# Altium PCB XNG_V1PCB.PcbDoc (part 1 of 2)
Units mil, origin at the board's own origin, x right, y up, seen from the top; angles counter-clockwise.
Board outline 5905.51 x 4527.56 mil, 2 copper layers (Top Layer, Bottom Layer); 230 components, 157 nets, 806 pads, 64 vias.
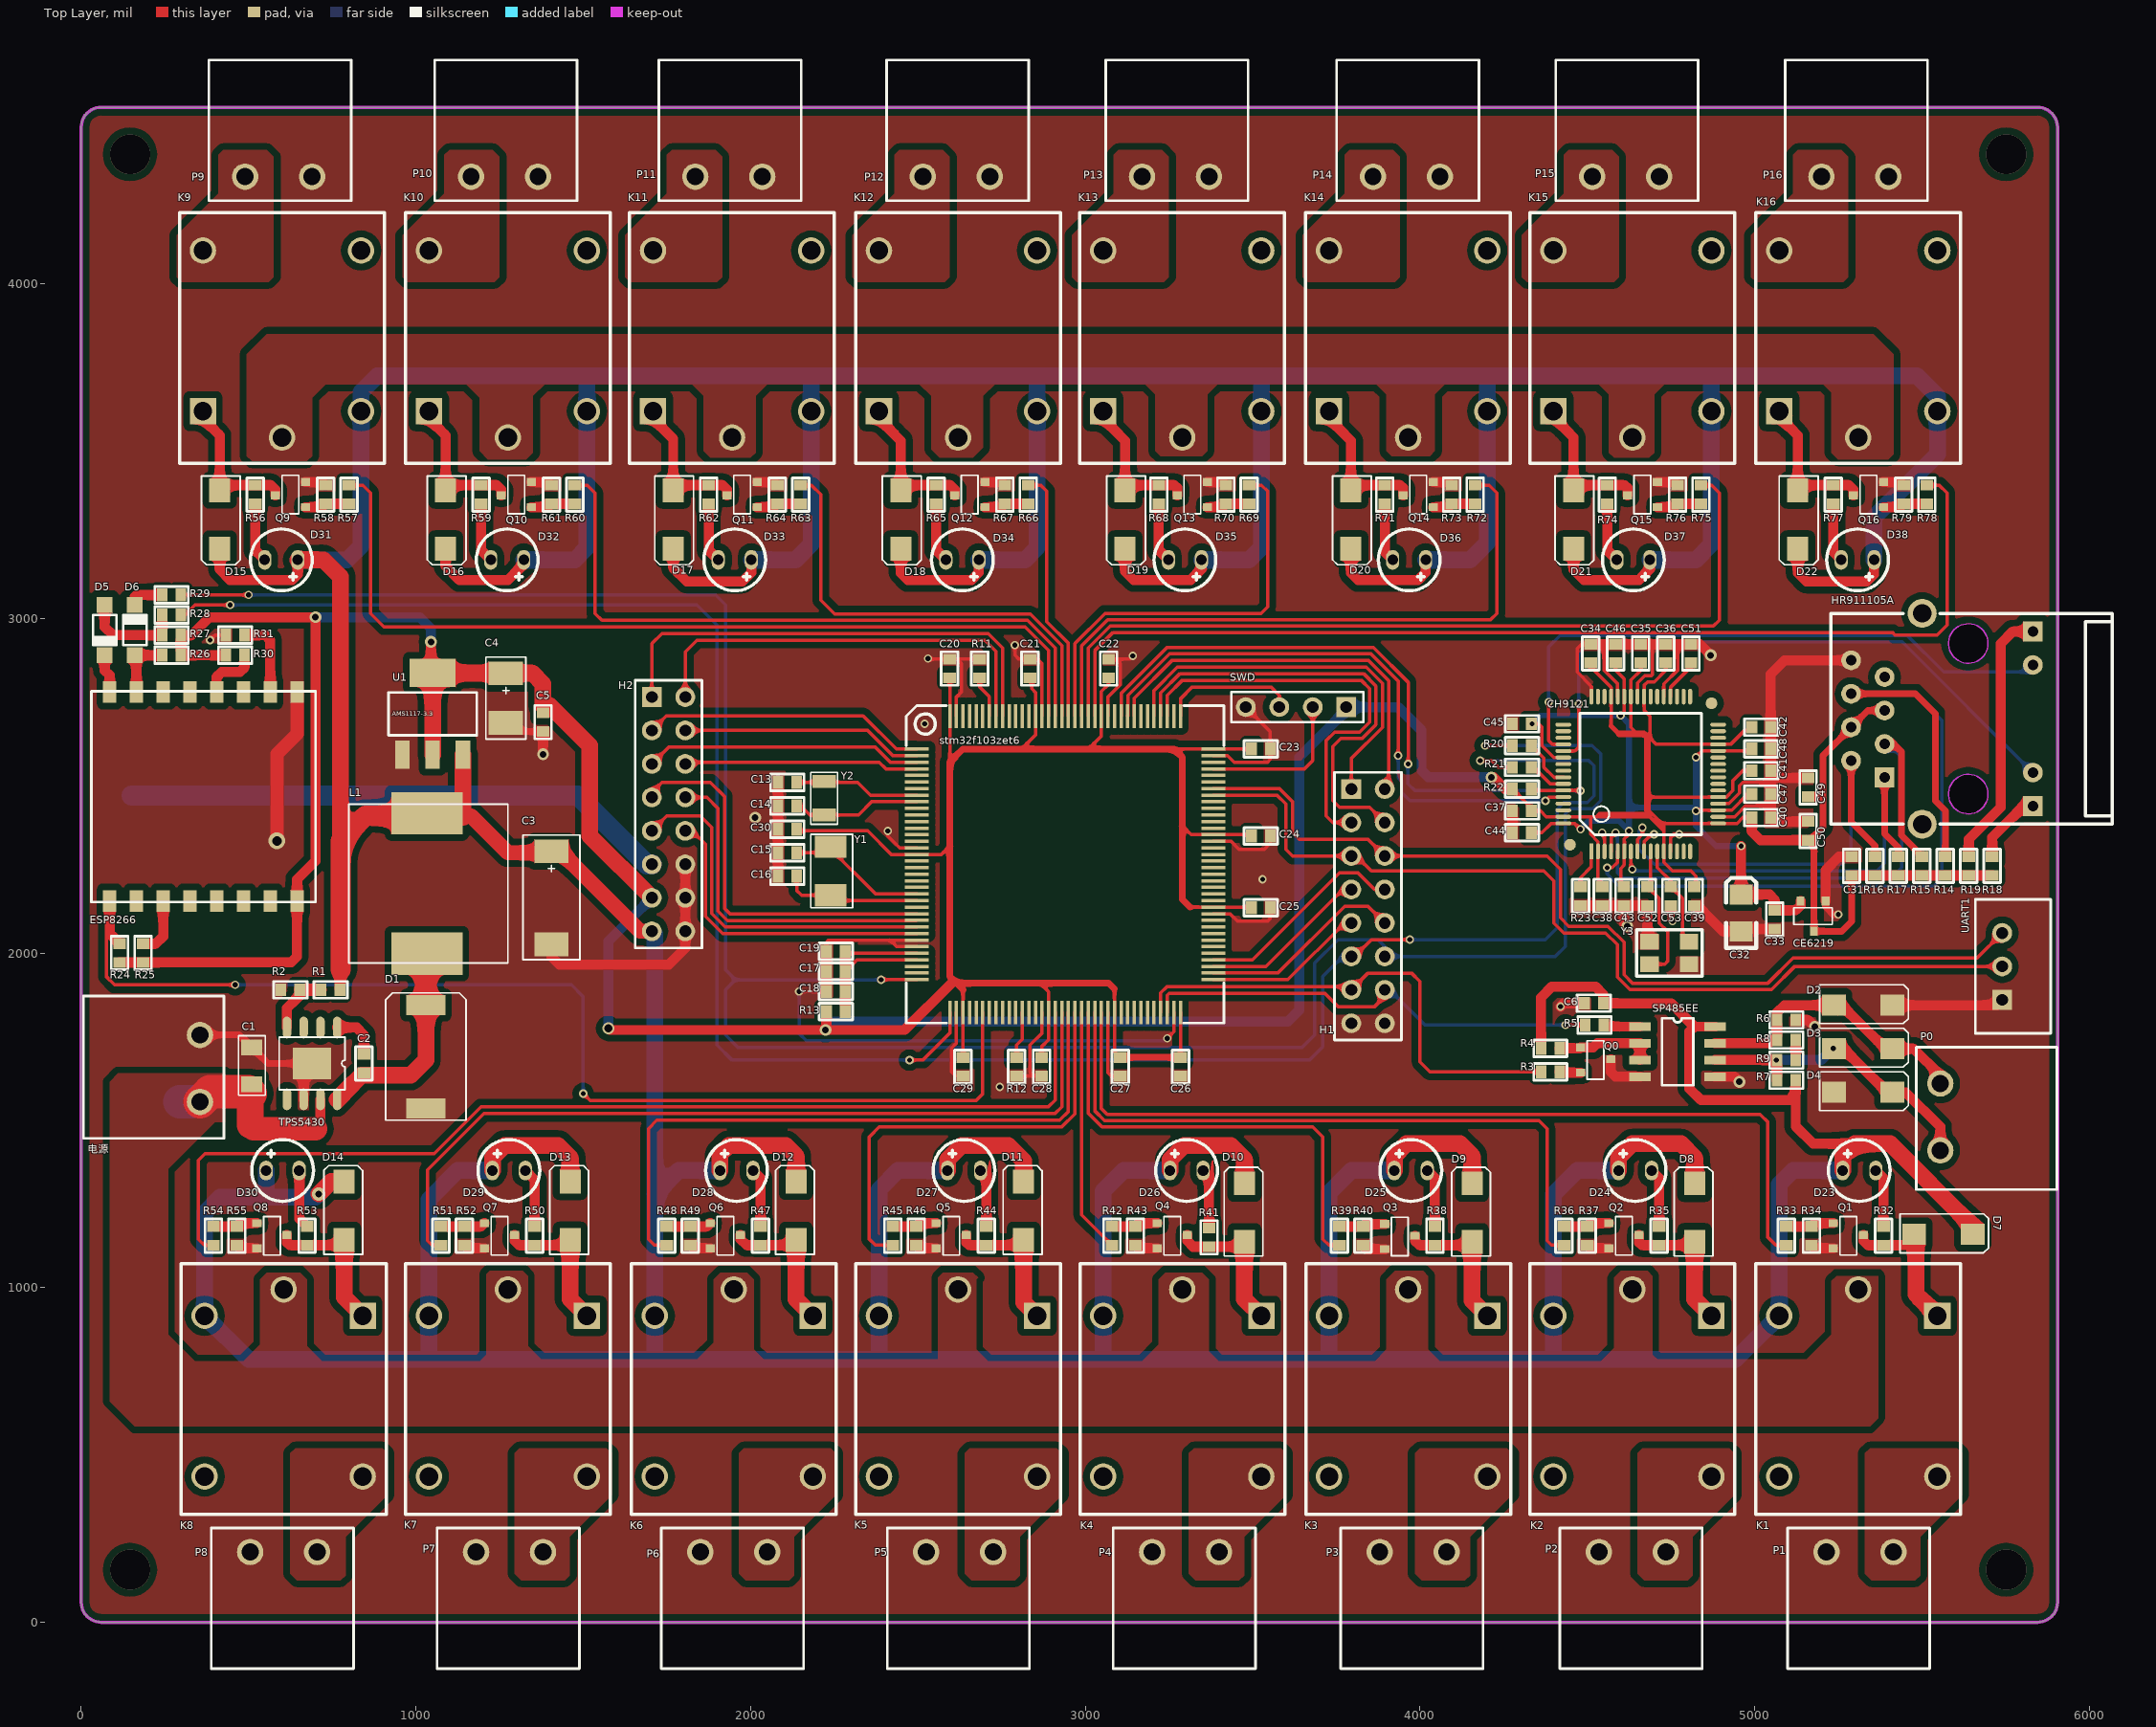
[diagram p0: Top Layer view]
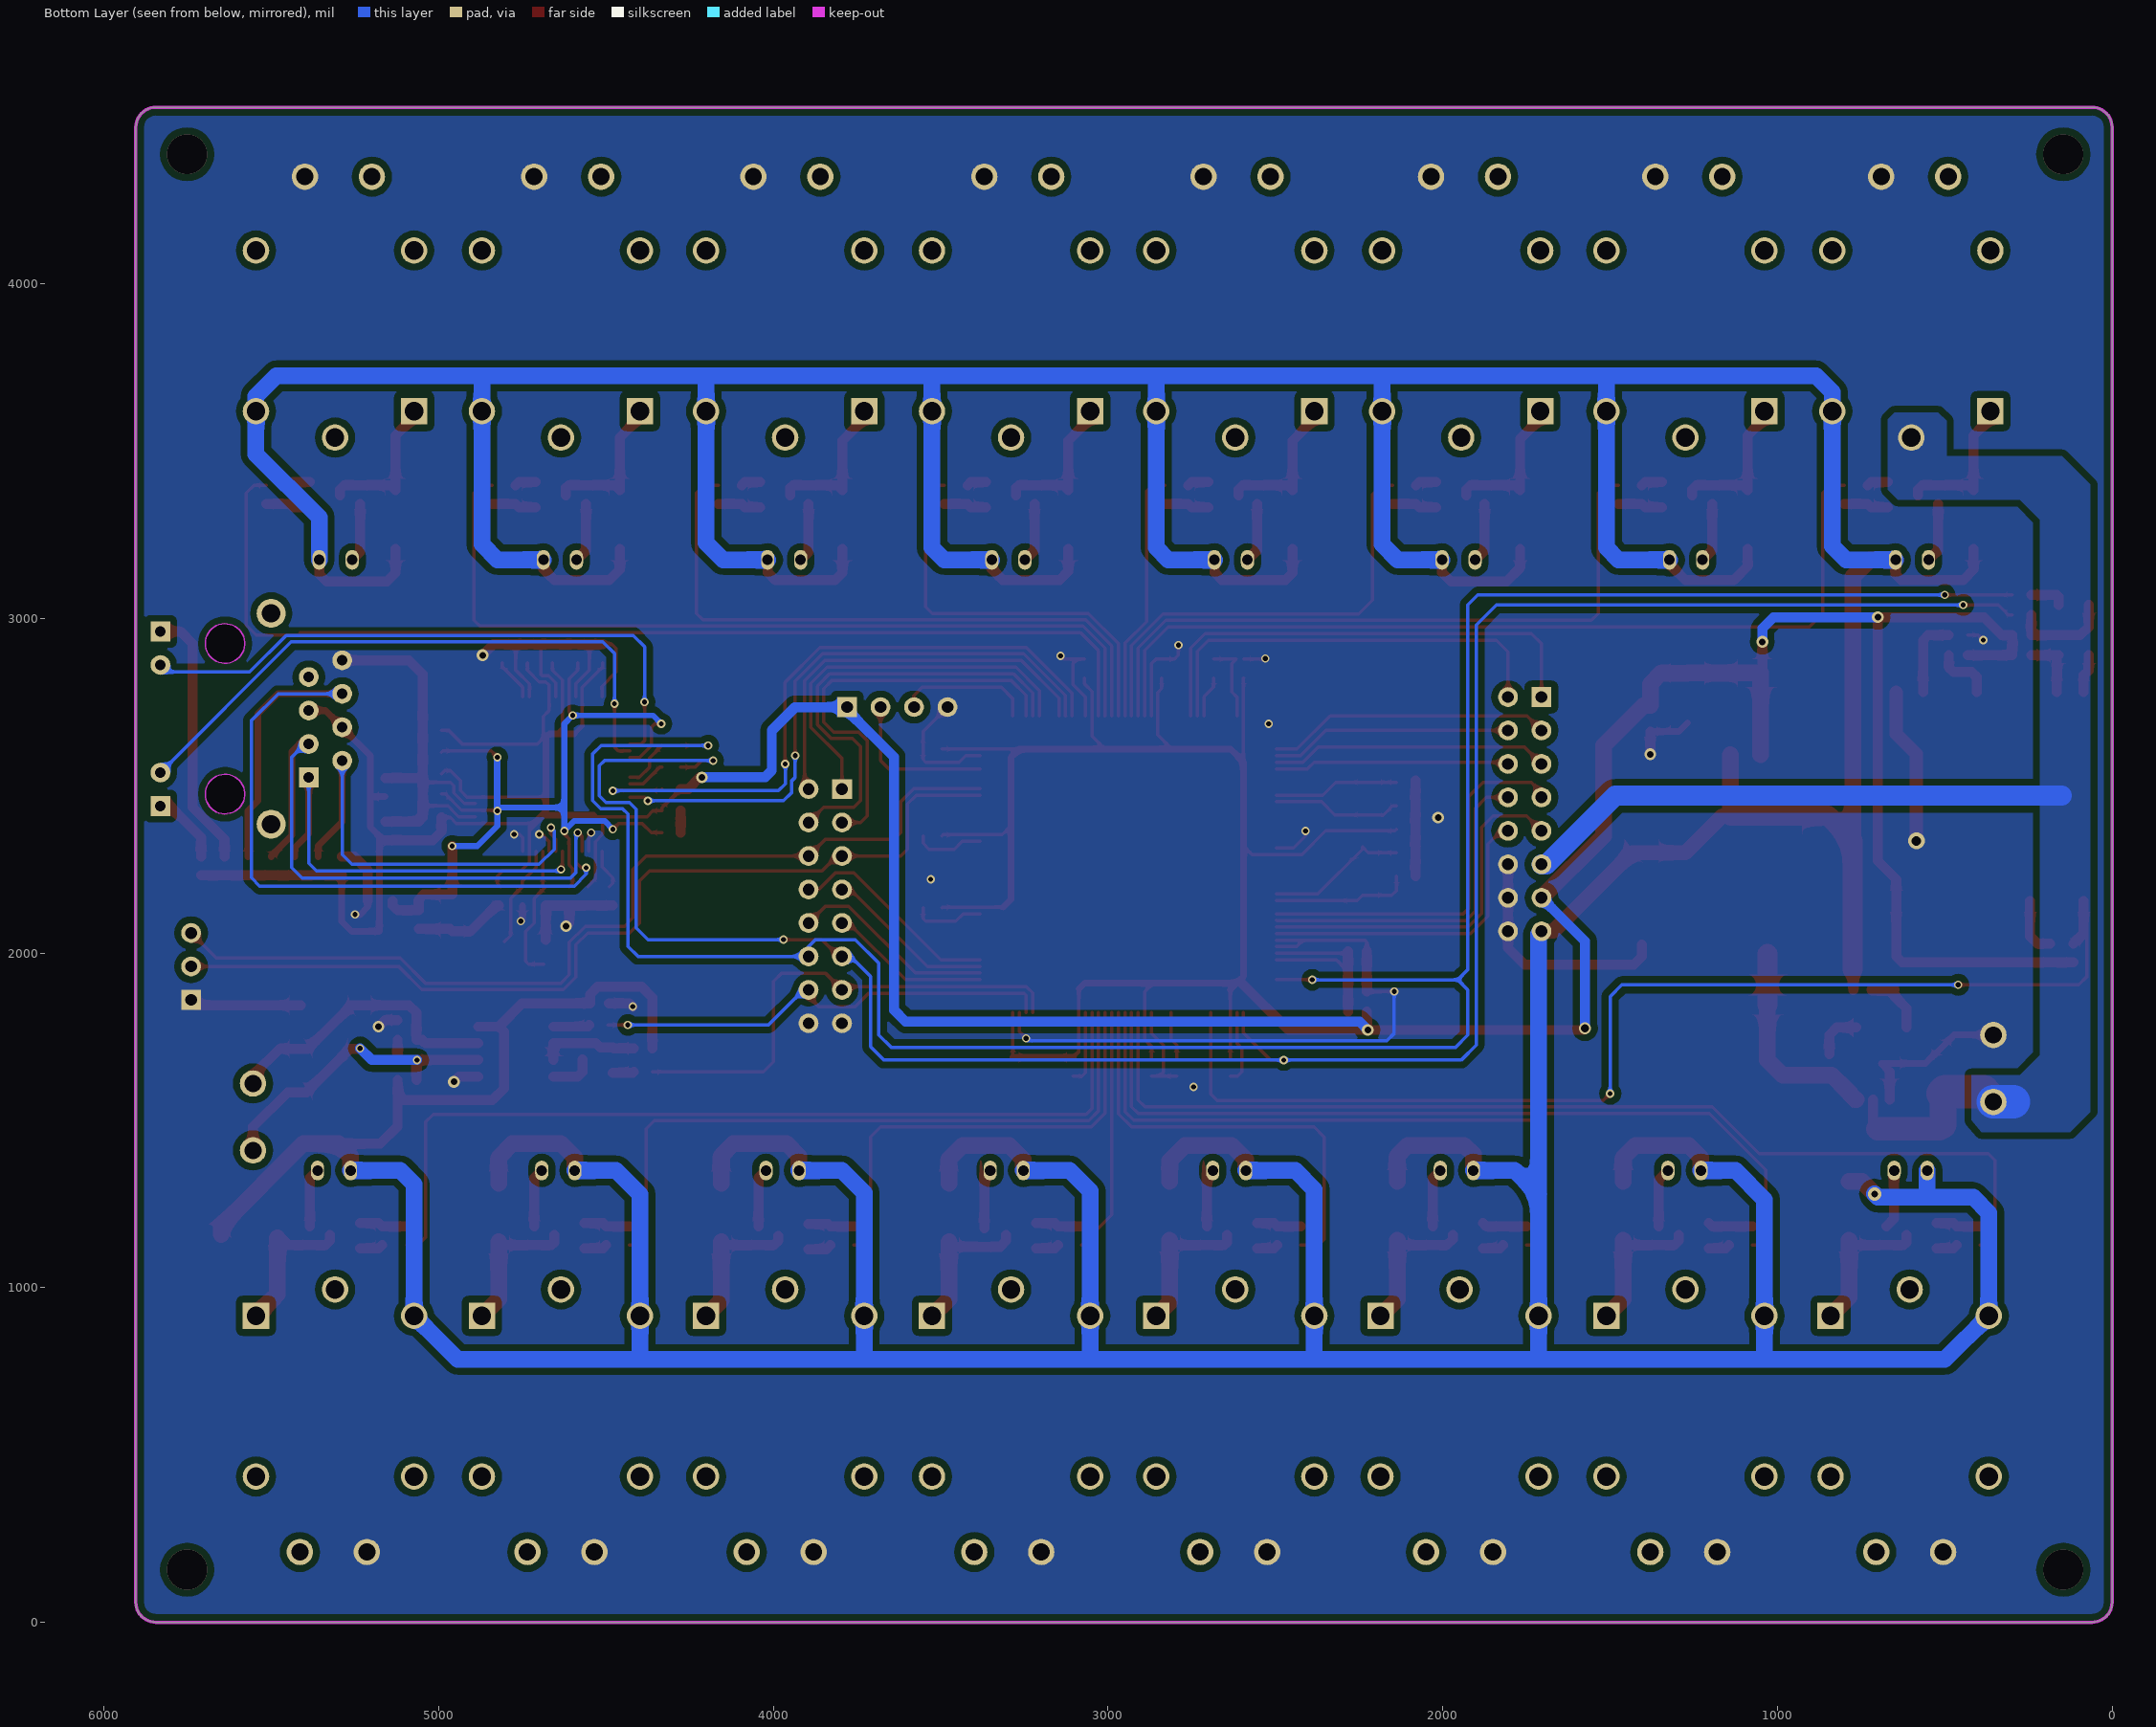
[diagram p1: Bottom Layer view, seen from below]

## Layer stack, top to bottom
Top Solder: solder mask 0.4, Solder Resist, Dk 3.5
Top Layer: signal copper 1.4
Dielectric 1: dielectric 12.6, FR-4, Dk 4.8
Bottom Layer: signal copper 1.4
Bottom Solder: solder mask 0.4, Solder Resist, Dk 3.5

## Board outline
0,60 ccw(c60,60) 60,0 5845.51,0 ccw(c5845.51,60) 5905.51,60 5905.51,4468 5905.07,4468 ccw(c5845.51,4468) 5845.51,4527.56 60,4527.56 ccw(c60,4467.56) 0,4467.56

## Design rules (kind name [scope] priority, off if disabled: settings)
Clearance GND [InPolygon] p1: gap=20 ignorepadtopadclearanceinfootprint=FALSE
Clearance IC [InComponent('stm32f103zet6','CH9121')] p2: gap=1 ignorepadtopadclearanceinfootprint=FALSE
Clearance [All] p3: gap=9 ignorepadtopadclearanceinfootprint=FALSE
ComponentClearance [All] p1: gap=0 collisioncheckmode=3 verticalgap=0 showdistances=FALSE
HoleSize [All] p1: absolutevalues=TRUE maxlimit=200 minlimit=1 maxpercent=80.000 minpercent=20.000
MinimumSolderMaskSliver [All] p1: minsoldermaskwidth=0
PlaneConnect [All] p1: planeconnectstyle=Direct reliefexpansion=20 reliefentries=4 reliefconductorwidth=10 reliefairgap=10
PolygonConnect [All] p1: connectstyle=Direct reliefconductorwidth=10 reliefentries=4 polygonreliefangle="90 Angle" airgapwidth=10
RoutingVias [All] p1: holewidth=15 width=25 viastyle="Through Hole" minholewidth=8 minwidth=10 maxholewidth=50 maxwidth=100
SilkToSilkClearance [All] p1: silktosilkclearance=0
SilkToSolderMaskClearance [IsPad] p1: minsilkscreentomaskgap=0 clearancetoexposedcopper=TRUE
SolderMaskExpansion [All] p1: expansion=4
Width [All] p1: maxlimit=100 minlimit=7 preferedwidth=10
24 further rules are at their usual default settings.

## Classes and differential pairs
component class 继电器模块: D7 D8 D9 D10 D11 D12 D13 D14 D15 D16 D17 D18 D19 D20 D21 D22 D23 D24 D25 D26 D27 D28 D29 D31 D32 D33 D34 D35 D36 D37 D38 K1 K2 K3 K4 K5 K6 K7 K8 K9 K10 K11 K12 K13 K14 K15 K16 P1 P2 P3 P4 P5 P6 P7 P8 P9 P10 P11 P12 P13 P14 P15 P16 Q1 Q2 Q3 Q4 Q5 Q6 Q7 Q8 Q9 Q10 Q11 Q12 Q13 Q14 Q15 Q16 R32 R33 R34 R35 R36 R37 R38 R39 R40 R41 R42 R43 R44 R45 R46 R47 R48 R49 R50 R51 R52 R53 R54 R55 R56 R57 R58 R59 R60 R61 R62 R63 R64 R65 R66 R67 R68 R69 R70 R71 R72 R73 R74 R75 R76 R77 R78 R79
component class 以太网透传模块: C31 C32 C33 C34 C35 C36 C37 C38 C39 C40 C41 C42 C43 C44 C45 C47 C48 C49 C50 C51 C52 C53 CE6219 CH9121 D5 D6 ESP8266 HR911105A R14 R15 R16 R17 R18 R19 R20 R21 R22 R23 R24 R25 R26 R27 R28 R29 R30 R31 Y3
component class 主控制芯片: C1 C2 C3 C4 C5 C6 C13 C14 C15 C16 C17 C18 C19 C20 C21 C22 C23 C24 C25 C26 C27 C28 C29 C30 D1 D2 D3 D4 H1 H2 L1 P0 Q0 R1 R2 R3 R4 R5 R6 R7 R8 R9 R11 R12 R13 SP485EE stm32f103zet6 SWD TPS5430 U1 UART1 Y1 Y2 电源

## Components (designator, comment, footprint, x,y, rotation, side; value= is the part's Value field where it differs from the comment)
C1 "C2012X5R1V156M125AC" 1206 510,1660 r90 top
C2 "C0805C103K5RACTU" 0603 845,1670 r270 top
C3 "6TPC330MA" 钽电容(D) 1405,2165 r270 top
C4 "10uF（钽电容）" 钽电容(B) 1265,2760 r270 top
C5 "0.1uF" 0603 1380,2690 r90 top
C6 "104" 0603 4520,1850 r0 top
C13 "10" 0603 2110,2510 r180 top
C14 "10" 0603 2110,2440 r180 top
C15 "22" 0603 2110,2300 r0 top
C16 "22" 0603 2110,2230 r0 top
C17 "104" 0603 2255,1945 r0 top
C18 "106" 0603 2255,1885 r180 top
C19 "104" 0603 2255,2005 r180 top
C20 "104" 0603 2595,2850 r90 top
C21 "104" 0603 2835,2850 r90 top
C22 "104" 0603 3070,2850 r90 top
C23 "104" 0603 3525,2610 r0 top
C24 "104" 0603 3525,2350 r0 top
C25 "104" 0603 3525,2135 r0 top
C26 "104" 0603 3285,1660 r270 top
C27 "104" 0603 3105,1660 r270 top
C28 "104" 0603 2870,1660 r270 top
C29 "104" 0603 2635,1660 r270 top
C30 "104" 0603 2110,2370 r180 top
C31 "104" 0603 5290,2260 r90 top
C32 "10uF" 钽电容(A) 4960,2125 r90 top
C33 "104" 0603 5060,2100 r270 top
C34 "104" 0603 4510,2895 r90 top
C35 "104" 0603 4660,2895 r90 top
C36 "104" 0603 4735,2895 r90 top
C37 "104" 0603 4305,2425 r180 top
C38 "104" 0603 4545,2170 r270 top
C39 "104" 0603 4820,2170 r270 top
C40 "104" 0603 5020,2405 r0 top
C41 "104" 0603 5020,2545 r0 top
C42 "104" 0603 5020,2675 r0 top
C43 "104" 0603 4610,2170 r270 top
C44 "104" 0603 4305,2360 r180 top
C45 "104" 0603 4305,2685 r180 top
C46 "104" 0603 4585,2895 r90 top
C47 "104" 0603 5020,2475 r0 top
C48 "104" 0603 5020,2610 r0 top
C49 "104" 0603 5160,2495 r90 top
C50 "104" 0603 5160,2365 r90 top
C51 "105" 0603 4810,2895 r270 top
C52 "20" 0603 4680,2170 r270 top
C53 "20" 0603 4750,2170 r270 top
CE6219 "CE6219" SOT-23 5175,2110 r180 top
CH9121 "CH9121" LQFP64_10x10 4660,2535 r0 top
D1 "B540C-13-F" SMC 1030,1690 r90 top
D2 "SMAJ6.5CA" SMA 5330,1845 r0 top
D3 "SMAJ6.5CA" SMA 5330,1715 r0 top
D4 "SMAJ6.5CA" SMA 5330,1585 r0 top
D5 "IN5819" SOD-123 70,2970 r90 top
D6 "IN5819" SOD-123 160,2960 r270 top
D7 "1N4007" SMA 5570,1160 r0 top
D8 "1N4007" SMA 4820,1230 r90 top
D9 "1N4007" SMA 4155,1230 r90 top
D10 "1N4007" SMA 3475,1230 r90 top
D11 "1N4007" SMA 2815,1235 r90 top
D12 "1N4007" SMA 2135,1235 r90 top
D13 "1N4007" SMA 1460,1235 r90 top
D14 "1N4007" SMA 785,1235 r90 top
D15 "1N4007" SMA 415,3290 r270 top
D16 "1N4007" SMA 1090,3290 r270 top
D17 "1N4007" SMA 1770,3290 r270 top
D18 "1N4007" SMA 2450,3290 r270 top
D19 "1N4007" SMA 3120,3290 r270 top
D20 "1N4007" SMA 3795,3290 r270 top
D21 "1N4007" SMA 4460,3290 r270 top
D22 "1N4007" SMA 5130,3290 r270 top
D23 "LED" LED 5311,1350 r0 top
D24 "LED" LED 4641,1350 r0 top
D25 "LED" LED 3971,1350 r0 top
D26 "LED" LED 3301,1350 r0 top
D27 "LED" LED 2636,1350 r0 top
D28 "LED" LED 1956,1350 r0 top
D29 "LED" LED 1276,1350 r0 top
D30 "LED" LED 600,1350 r0 top
D31 "LED" LED 600,3175 r180 top
D32 "LED" LED 1275,3175 r180 top
D33 "LED" LED 1955,3175 r180 top
D34 "LED" LED 2635,3175 r180 top
D35 "LED" LED 3300,3175 r180 top
D36 "LED" LED 3970,3175 r180 top
D37 "LED" LED 4640,3175 r180 top
D38 "LED" LED 5310,3175 r180 top
ESP8266 "ESP8266" ESP8266 700,2152.2 r90 top
H1 "Header 8X2A" HDR2X8_CEN 3795,2490 r270 top
H2 "Header 8X2A" HDR2X8_CEN 1705,2765 r270 top
HR911105A "HR911105A" HR911105A 5560,2700 r90 top
K1 "SSR5" SSR-DC5 5310,715 r270 top
K2 "SSR5" SSR-DC5 4635,715 r270 top
K3 "SSR5" SSR-DC5 3965,715 r270 top
K4 "SSR5" SSR-DC5 3290,715 r270 top
K5 "SSR5" SSR-DC5 2620,715 r270 top
K6 "SSR5" SSR-DC5 1950,715 r270 top
K7 "SSR5" SSR-DC5 1275,715 r270 top
K8 "SSR5" SSR-DC5 605,715 r270 top
K9 "SSR5" SSR-DC5 600,3820 r90 top
K10 "SSR5" SSR-DC5 1275,3820 r90 top
K11 "SSR5" SSR-DC5 1945,3820 r90 top
K12 "SSR5" SSR-DC5 2620,3820 r90 top
K13 "SSR5" SSR-DC5 3290,3820 r90 top
K14 "SSR5" SSR-DC5 3965,3820 r90 top
K15 "SSR5" SSR-DC5 4635,3820 r90 top
K16 "SSR5" SSR-DC5 5310,3820 r90 top
L1 "SDR1307-150ML" CDRH127 1040,2200 r90 top
P0 "Header 2" 电源 5555,1510 r180 top
P1 "Header 2" 电源 5315,210 r90 top
P2 "Header 2" 电源 4635,210 r90 top
P3 "Header 2" 电源 3980,210 r90 top
P4 "Header 2" 电源 3300,210 r90 top
P5 "Header 2" 电源 2625,210 r90 top
P6 "Header 2" 电源 1950,210 r90 top
P7 "Header 2" 电源 1280,210 r90 top
P8 "Header 2" 电源 605,210 r90 top
P9 "Header 2" 电源 590,4320 r270 top
P10 "Header 2" 电源 1265,4320 r270 top
P11 "Header 2" 电源 1935,4320 r270 top
P12 "Header 2" 电源 2615,4320 r270 top
P13 "Header 2" 电源 3270,4320 r270 top
P14 "Header 2" 电源 3960,4320 r270 top
P15 "Header 2" 电源 4615,4320 r270 top
P16 "Header 2" 电源 5300,4320 r270 top
Q0 "s8050" SOT-23 4525,1680 r270 top
Q1 "S8050" SOT-23 5280,1155 r270 top
Q2 "S8050" SOT-23 4610,1155 r270 top
Q3 "S8050" SOT-23 3940,1152.5 r270 top
Q4 "S8050" SOT-23 3260,1155 r270 top
Q5 "S8050" SOT-23 2600,1155 r270 top
Q6 "S8050" SOT-23 1925,1155 r270 top
Q7 "S8050" SOT-23 1250,1155 r270 top
Q8 "S8050" SOT-23 570,1155 r270 top
Q9 "S8050" SOT-23 625,3370 r90 top
Q10 "S8050" SOT-23 1300,3370 r90 top
Q11 "S8050" SOT-23 1975,3370 r90 top
Q12 "S8050" SOT-23 2655,3370 r90 top
Q13 "S8050" SOT-23 3320,3370 r90 top
Q14 "S8050" SOT-23 3995,3370 r90 top
Q15 "S8050" SOT-23 4665,3370 r90 top
Q16 "S8050" SOT-23 5340,3370 r90 top
R1 "10K" 0603 745,1890 r0 top
R2 "3.24K" 0603 625,1890 r0 top
R3 "4.7k" 0603 4390,1645 r0 top
R4 "4.7k" 0603 4390,1715 r0 top
R5 "1K" 0603 4522,1785 r0 top
R6 "4.7k" 0603 5095,1800 r180 top
R7 "4.7k" 0603 5095,1620 r0 top
R8 "120" 0603 5095,1740 r180 top
R9 "NC" 0603 5095,1680 r0 top
R11 "10K" 0603 2685,2850 r90 top
R12 "10K" 0603 2795,1660 r270 top
R13 "10" 0603 2255,1825 r180 top
R14 "49.9 1%" 0603 5570,2260 r90 top
R15 "49.9 1%" 0603 5500,2260 r90 top
R16 "49.9 1%" 0603 5360,2260 r90 top
R17 "49.9 1%" 0603 5430,2260 r90 top
R18 "470" 0603 5710,2260 r90 top
R19 "470" 0603 5640,2260 r90 top
R20 "0" 0603 4305,2620 r0 top
R21 "0" 0603 4305,2555 r0 top
R22 "1K" 0603 4305,2490 r0 top
R23 "18K" 0603 4480,2170 r270 top
R24 "1K" 0603 115,2000 r90 top
R25 "1K" 0603 185,2000 r90 top
R26 "5.6K" 0603 270,2890 r0 top
R27 "5.6K" 0603 270,2950 r0 top
R28 "0" 0603 270,3010 r0 top
R29 "0" 0603 270,3070 r0 top
R30 "1K" 0603 460,2890 r180 top
R31 "1K" 0603 460,2950 r180 top
R32 "1K" 0603 5385,1155 r90 top
R33 "4.7K" 0603 5095,1155 r270 top
R34 "10K" 0603 5170,1155 r270 top
R35 "1K" 0603 4715,1155 r90 top
R36 "4.7K" 0603 4430,1155 r270 top
R37 "10K" 0603 4500,1155 r270 top
R38 "1K" 0603 4045,1155 r90 top
R39 "4.7K" 0603 3760,1155 r270 top
R40 "10K" 0603 3830,1155 r270 top
R41 "1K" 0603 3370,1150 r90 top
R42 "4.7K" 0603 3080,1155 r270 top
R43 "10K" 0603 3150,1155 r270 top
R44 "1K" 0603 2705,1155 r90 top
R45 "4.7K" 0603 2425,1155 r270 top
R46 "10K" 0603 2495,1155 r270 top
R47 "1K" 0603 2030,1155 r90 top
R48 "4.7K" 0603 1750,1155 r270 top
R49 "10K" 0603 1820,1155 r270 top
R50 "1K" 0603 1355,1155 r90 top
R51 "4.7K" 0603 1075,1155 r270 top
R52 "10K" 0603 1145,1155 r270 top
R53 "1K" 0603 675,1155 r90 top
R54 "4.7K" 0603 395,1155 r270 top
R55 "10K" 0603 465,1155 r270 top
R56 "1K" 0603 520,3370 r270 top
R57 "4.7K" 0603 800,3370 r90 top
R58 "10K" 0603 730,3370 r90 top
R59 "1K" 0603 1195,3370 r270 top
R60 "4.7K" 0603 1475,3370 r90 top
R61 "10K" 0603 1405,3370 r90 top
R62 "1K" 0603 1875,3370 r270 top
R63 "4.7K" 0603 2150,3370 r90 top
R64 "10K" 0603 2080,3370 r90 top
R65 "1K" 0603 2555,3370 r270 top
R66 "4.7K" 0603 2830,3370 r90 top
R67 "10K" 0603 2760,3370 r90 top
R68 "1K" 0603 3220,3370 r270 top
R69 "4.7K" 0603 3490,3370 r90 top
R70 "10K" 0603 3420,3370 r90 top
R71 "1K" 0603 3895,3370 r270 top
R72 "4.7K" 0603 4165,3370 r90 top
R73 "10K" 0603 4095,3370 r90 top
R74 "1K" 0603 4560,3370 r270 top
R75 "4.7K" 0603 4840,3370 r90 top
R76 "10K" 0603 4770,3370 r90 top
R77 "1K" 0603 5235,3370 r270 top
R78 "4.7K" 0603 5515,3370 r90 top
R79 "10K" 0603 5445,3370 r90 top
SP485EE "SP485EE" SOP-8 4770,1705 r0 top
stm32f103zet6 "stm32f103zet6" LQFP144 2940,2265 r0 top
SWD "Header 4" SWD 3628,2738 r180 top
TPS5430 "TPS5430DDAR" TPS5430 690,1670 r270 top
U1 "AMS1117-3.3" 1117-3.3 1050,2715 r0 top
UART1 "Header 3" H3 5740,1960 r90 top
Y1 "8M" 5032(8M) 2240,2225 r270 top
Y2 "32.768k" FC135(32.768K) 2225,2460 r270 top
Y3 "30MHz" 4025 4745,2000 r0 top
电源 "DUANZI" 电源 355,1655 r0 top

## Footprints (in the part's own frame and the unit in brackets; to place one, negate y for a bottom-side part, rotate by r counter-clockwise, add the part's x,y. Pads: shape width x height; smd on the part's side, far side on the other; paste and mask are expansions set on the pad)
0603 [mil]
  rect 32x38 smd paste+0 mask+0: 1(-28,0) 2(28,0)
  silkscreen extent -50,-25 50,25, body extent -38,-19 40,19, height 20
1117-3.3 [mm]
  rect 1.1x2.15 smd: 1(-2.3,-3.1) 2(0,-3.1) 3(2.3,-3.1)
  rect 3.5x2.15 smd: 4(0,3.1)
  silkscreen extent -3.35,-1.63 3.35,1.63
1206 [mm]
  rect 1.2x1.6 smd: 1(-1.333,0) 2(1.46,0)
  silkscreen extent -2.16,-1.02 2.35,1.02
4025 [mm]
  rect 1.4x1.2 smd: 1(-1.5,-0.85) 2(1.5,0.85) 3(1.5,-0.85) 4(-1.5,0.85)
  silkscreen extent -2.49,-1.77 2.49,1.76
5032(8M) [mm]
  rect 1.7x2.4 smd: 1(-2.349,0) 2(1.333,0)
  silkscreen extent -3.3,-1.52 2.29,1.65
CDRH127 [mil]
  rect 125.98x212.6 smd: 1(-202,7) 2(218,7)
  silkscreen extent -230,-235 245,240
ESP8266 [mil]
  rect 65x39.37 smd: 1(2.8,615) 2(2.8,535) 3(2.8,455) 4(2.8,375) 5(2.8,295) 6(2.8,215) 7(2.8,135) 8(2.8,55) 9(627.8,55) 10(627.8,135) 11(627.8,215) 12(627.8,295) 13(627.8,375) 14(627.8,455) 15(627.8,535) 16(627.8,615)
  silkscreen extent 0,0 630,669
FC135(32.768K) [mil]
  rect 39.37x70.87 smd: 1(-52.5,-5) 2(47.5,-5)
  silkscreen extent -80,-45 75,35
H3 [mm]
  rect 1.5x1.5 hole 0.9: 1(-2.54,0)
  round 1.5 hole 0.9: 2(0,0) 3(2.54,0)
  silkscreen extent -5.08,-3.68 5.08,2.03
HDR2X8_CEN [mm] "Connector; Header; 8x2 Position"
  rect 1.5x1.5 hole 0.9: 1(0,0)
  round 1.5 hole 0.9: 2(2.54,0) 3(5.08,0) 4(7.62,0) 5(10.16,0) 6(12.7,0) 7(15.24,0) 8(17.78,0) 9(0,2.54) 10(2.54,2.54) 11(5.08,2.54) 12(7.62,2.54) 13(10.16,2.54) 14(12.7,2.54) 15(15.24,2.54) 16(17.78,2.54)
  silkscreen extent -1.27,-1.27 19.05,3.81
HR911105A [mm]
  rect 1.5x1.5 hole 0.8: 1(-4.45,4.356) 9(-6.625,-6.896) 12(6.625,-6.896)
  round 1.5 hole 0.8: 2(-3.18,6.896) 3(-1.91,4.356) 4(-0.64,6.896) 5(0.63,4.356) 6(1.9,6.896) 7(3.17,4.356) 8(4.44,6.896) 10(-4.085,-6.896) 11(4.085,-6.896)
  round 2.2 hole 1.4: ""(-8,1.504) ""(8,1.504)
  Keep-Out Layer circle w0.1: c5.715,-1.996 r1.5
  Keep-Out Layer circle w0.1: c-5.715,-1.996 r1.5
  silkscreen extent -8,-12.92 8,8.42
LED [mm]
  oval 1x1.5 hole 0.8: 1(-1.203,0) 2(1.305,0)
  silkscreen extent -2.29,-2.34 2.39,2.34
LQFP64_10x10 [mm]
  round 0.889 smd: 0(-5.369,-5.369) 0(5.369,5.369)
  rect 0.3x1.2 smd: 1(-3.75,-5.877)
  oval 0.3x1.2 smd: 2(-3.25,-5.877) 3(-2.75,-5.877) 4(-2.25,-5.877) 5(-1.75,-5.877) 6(-1.25,-5.877) 7(-0.75,-5.877) 8(-0.25,-5.877) 9(0.25,-5.877) 10(0.75,-5.877) 11(1.25,-5.877) 12(1.75,-5.877) 13(2.25,-5.877) 14(2.75,-5.877) 15(3.25,-5.877) 16(3.75,-5.877) 33(3.75,5.877) 34(3.25,5.877) 35(2.75,5.877) 36(2.25,5.877) 37(1.75,5.877) 38(1.25,5.877) 39(0.75,5.877) 40(0.25,5.877) 41(-0.25,5.877) 42(-0.75,5.877) 43(-1.25,5.877) 44(-1.75,5.877) 45(-2.25,5.877) 46(-2.75,5.877) 47(-3.25,5.877) 48(-3.75,5.877)
  oval 1.2x0.3 smd: 17(5.877,-3.75) 18(5.877,-3.25) 19(5.877,-2.75) 20(5.877,-2.25) 21(5.877,-1.75) 22(5.877,-1.25) 23(5.877,-0.75) 24(5.877,-0.25) 25(5.877,0.25) 26(5.877,0.75) 27(5.877,1.25) 28(5.877,1.75) 29(5.877,2.25) 30(5.877,2.75) 31(5.877,3.25) 32(5.877,3.75) 49(-5.877,3.75) 50(-5.877,3.25) 51(-5.877,2.75) 52(-5.877,2.25) 53(-5.877,1.75) 54(-5.877,1.25) 55(-5.877,0.75) 56(-5.877,0.25) 57(-5.877,-0.25) 58(-5.877,-0.75) 59(-5.877,-1.25) 60(-5.877,-1.75) 61(-5.877,-2.25) 62(-5.877,-2.75) 63(-5.877,-3.25) 64(-5.877,-3.75)
  silkscreen extent -4.61,-4.61 4.62,4.61
LQFP144 [mm]
  rect 1.8x0.254 smd: 1(-11.25,8.75) 2(-11.25,8.25) 3(-11.25,7.75) 4(-11.25,7.25) 5(-11.25,6.75) 6(-11.25,6.25) 7(-11.25,5.75) 8(-11.25,5.25) 9(-11.25,4.75) 10(-11.25,4.25) 11(-11.25,3.75) 12(-11.25,3.25) 13(-11.25,2.75) 14(-11.25,2.25) 15(-11.25,1.75) 16(-11.25,1.25) 17(-11.25,0.75) 18(-11.25,0.25) 19(-11.25,-0.25) 20(-11.25,-0.75) 21(-11.25,-1.25) 22(-11.25,-1.75) 23(-11.25,-2.25) 24(-11.25,-2.75) 25(-11.25,-3.25) 26(-11.25,-3.75) 27(-11.25,-4.25) 28(-11.25,-4.75) 29(-11.25,-5.25) 30(-11.25,-5.75) 31(-11.25,-6.25) 32(-11.25,-6.75) 33(-11.25,-7.25) 34(-11.25,-7.75) 35(-11.25,-8.25) 36(-11.25,-8.75) 73(11.25,-8.75) 74(11.25,-8.25) 75(11.25,-7.75) 76(11.25,-7.25) 77(11.25,-6.75) 78(11.25,-6.25) 79(11.25,-5.75) 80(11.25,-5.25) 81(11.25,-4.75) 82(11.25,-4.25) 83(11.25,-3.75) 84(11.25,-3.25) 85(11.25,-2.75) 86(11.25,-2.25) 87(11.25,-1.75) 88(11.25,-1.25) 89(11.25,-0.75) 90(11.25,-0.25) 91(11.25,0.25) 92(11.25,0.75) 93(11.25,1.25) 94(11.25,1.75) 95(11.25,2.25) 96(11.25,2.75) 97(11.25,3.25) 98(11.25,3.75) 99(11.25,4.25) 100(11.25,4.75) 101(11.25,5.25) 102(11.25,5.75) 103(11.25,6.25) 104(11.25,6.75) 105(11.25,7.25) 106(11.25,7.75) 107(11.25,8.25) 108(11.25,8.75)
  rect 0.254x1.8 smd: 37(-8.75,-11.25) 38(-8.25,-11.25) 39(-7.75,-11.25) 40(-7.25,-11.25) 41(-6.75,-11.25) 42(-6.25,-11.25) 43(-5.75,-11.25) 44(-5.25,-11.25) 45(-4.75,-11.25) 46(-4.25,-11.25) 47(-3.75,-11.25) 48(-3.25,-11.25) 49(-2.75,-11.25) 50(-2.25,-11.25) 51(-1.75,-11.25) 52(-1.25,-11.25) 53(-0.75,-11.25) 54(-0.25,-11.25) 55(0.25,-11.25) 56(0.75,-11.25) 57(1.25,-11.25) 58(1.75,-11.25) 59(2.25,-11.25) 60(2.75,-11.25) 61(3.25,-11.25) 62(3.75,-11.25) 63(4.25,-11.25) 64(4.75,-11.25) 65(5.25,-11.25) 66(5.75,-11.25) 67(6.25,-11.25) 68(6.75,-11.25) 69(7.25,-11.25) 70(7.75,-11.25) 71(8.25,-11.25) 72(8.75,-11.25) 109(8.75,11.25) 110(8.25,11.25) 111(7.75,11.25) 112(7.25,11.25) 113(6.75,11.25) 114(6.25,11.25) 115(5.75,11.25) 116(5.25,11.25) 117(4.75,11.25) 118(4.25,11.25) 119(3.75,11.25) 120(3.25,11.25) 121(2.75,11.25) 122(2.25,11.25) 123(1.75,11.25) 124(1.25,11.25) 125(0.75,11.25) 126(0.25,11.25) 127(-0.25,11.25) 128(-0.75,11.25) 129(-1.25,11.25) 130(-1.75,11.25) 131(-2.25,11.25) 132(-2.75,11.25) 133(-3.25,11.25) 134(-3.75,11.25) 135(-4.25,11.25) 136(-4.75,11.25) 137(-5.25,11.25) 138(-5.75,11.25) 139(-6.25,11.25) 140(-6.75,11.25) 141(-7.25,11.25) 142(-7.75,11.25) 143(-8.25,11.25) 144(-8.75,11.25)
  silkscreen extent -12.05,-12.05 12.05,12.05
SMA [mil]
  rect 70.87x62.99 smd: 1(-93,-1) 2(82,-1)
  silkscreen extent -136,-56 130,60
SMC [mm]
  rect 1.5x2.95 smd: 1(-3.924,0) 2(3.924,0)
  silkscreen extent -4.81,-3.05 4.84,3.05
SOD-123 [mm]
  rect 1.2x1.2 smd: 1(1.778,0) 2(-2.032,0)
  silkscreen extent -1.27,-0.89 1.02,0.89
SOP-8 [mil]
  rect 65x25 smd: 1(-112.2,75) 2(-112.2,25) 3(-112.2,-25) 4(-112.2,-75) 5(112.2,-75) 6(112.2,-25) 7(112.2,25) 8(112.2,75)
  silkscreen extent -47,-100 47,100
SOT-23 [mil]
  rect 23.62x27.56 smd: 1(-37.5,-45) 2(37.5,-45) 3(-2.5,45)
  silkscreen extent -58,-25 58,25
SSR-DC5 [mm]
  rect 2x2 hole 1.4: 1(-5.1,6)
  round 2 hole 1.4: 2(-7.1,0) 3(-5.1,-6) 4(7.1,-6) 5(7.1,6)
  silkscreen extent -9.06,-7.77 9.99,7.78, body extent -9.06,-7.77 9.99,7.78, height 15
SWD [mm]
  rect 1.5x1.5 hole 0.9: 1(-3.861,0.076)
  round 1.5 hole 0.9: 2(-1.321,0.076) 3(1.219,0.076) 4(3.759,0.076)
  silkscreen extent -5.17,-1.07 4.87,1.21
TPS5430 [mil]
  oval 65x25 smd: 1(-107.36,75) 2(-107.36,25) 3(-107.36,-25) 4(-107.36,-75) 5(107.36,-75) 6(107.36,-25) 7(107.36,25) 8(107.36,75)
  rect 94.49x114.17 smd: 9(0,0)
  silkscreen extent -79,-98 79,98
电源 [mm]
  round 2 hole 1.3: 1(0,2.54) 2(0,-2.54)
  silkscreen extent -8.85,-5.3 1.83,5.5
钽电容(A) [mil]
  rect 60x70 smd: 1(50,0) 2(-60,0)
  silkscreen extent -110,-45 100,45
钽电容(B) [mm]
  rect 1.8x2.6 smd: 1(-1.933,0.102) 2(1.832,0.102)
  silkscreen extent -3.16,-1.42 3.06,1.63
钽电容(D) [mm]
  rect 1.8x2.6 smd: 1(-3.533,0) 2(3.533,0)
  silkscreen extent -4.76,-2.16 4.7,2.16

## Part data
C1 C2 C5 C6 C13 C14 C15 C16 C17 C18 C19 C20 C21 C22 C23 C24 C25 C26 C27 C28 C29 C30 C34 C35 C36 C37 C38 C39 C40 C41 C42 C43 C44 C45 C46 C47 C48: library part Cap, "Capacitor"
C3 C4: library part "Cap Pol1", "Polarized Capacitor (Radial)"
C31 C33 C49 C50 C51: library part CAP, "Capacitor"
C32: library part ELECTRO1, "Electrolytic Capacitor"
C52 C53: library part Pro1BB.tmp_20p_7
CE6219: library part LM1117_3.3V
D1: library part "D Schottky", "Schottky Diode"
D2 D3 D4: library part MSCJ6.5CA
D5 D6: library part "Diode 1N4001", "1 Amp General Purpose Rectifier"
D7 D8 D9 D10 D11 D12 D13 D14 D15 D16 D17 D18 D19 D20 D21 D22: library part "Diode 1N4007", "1 Amp General Purpose Rectifier"
H1 H2: "Header, 8-Pin, Dual row"
L1: library part Inductor, "Inductor"
P0 P1 P2 P3 P4 P5 P6 P7 P8 P9 P10 P11 P12 P13 P14 P15 P16: "Header, 2-Pin"
Q0: library part NPN, "NPN Bipolar Transistor"
R1 R2 R3 R4 R5 R6 R7 R8 R9 R11 R12 R13 R20 R21 R22 R23 R24 R25 R26 R27 R28 R29 R30 R31: library part Res1, "Resistor"
R14 R15 R16 R17: library part DZ
R18 R19: library part RES2
R32 R33 R34 R35 R36 R37 R38 R39 R40 R41 R42 R43 R44 R45 R46 R47 R48 R49 R50 R51 R52 R53 R54 R55 R56 R57 R58 R59 R60 R61 R62 R63 R64 R65 R66 R67 R68 R69 R70 R71 R72 R73 R74 R75 R76 R77 R78 R79: library part RES-1K
SWD: "Header, 4-Pin"
TPS5430: library part TPS5430
U1: library part REG1117-3.3, "800mA and 1A Low Dropout Positive Regulator 2.85V, 3.3V, 5V, and Adjustable"
UART1: "Header, 3-Pin"
Y1 Y2: library part XTAL, "Crystal Oscillator"
Y3: library part Pro1BB.tmp_12MHz_6
电源: library part "Header 2", "Header, 2-Pin"

## Via types
v1: diameter 25, hole 15, Top Layer to Bottom Layer, 45 vias
v2: diameter 35, hole 20, Top Layer to Bottom Layer, 10 vias
v3: diameter 120, hole 120, Top Layer to Bottom Layer, 6 vias
v4: diameter 50, hole 28, Top Layer to Bottom Layer, 1 vias
v5: diameter 35, hole 25, Top Layer to Bottom Layer, 1 vias
v6: diameter 40, hole 20, Top Layer to Bottom Layer, 1 vias

## Nets (pads, with @x,y where several pads share a name; then routed paths per layer and width w, separated by ;. In a path a pad name is that pad's centre, name@x,y a point inside that pad or via, vN(x,y) a via of type N, cw(c..) or ccw(c..) an arc to the next point about the centre after c; other vN are vias at no path point)
1V8: C32.1 C33.1 C43.1 C44.1 C45.1 C46.1 C47.1 C48.1 CE6219.2 CH9121.6 CH9121.19 CH9121.28 CH9121.43 CH9121.54 CH9121.64 | length 2794.6
  Top Layer w10: C44.1@4333,2360 4365,2360 4392.36,2387.36 CH9121.64@4428.62,2387.36 4462.64,2387.36 v1(4480,2370) ; C45.1@4333,2685 v1(4335,2685) 4355,2685 4365,2675 4365,2620 4400.79,2584.21 CH9121.54@4428.62,2584.21 ; C46.1@4585,2867 4585,2845 4610.79,2819.21 CH9121.43@4610.79,2766.38 4610.79,2720.79 v1(4600,2710) ; C43.1@4610,2198 4600,2208 4600,2252.48 4610.79,2263.26 CH9121.6@4610.79,2303.62 4610.79,2340.79 4625,2355 v1(4625,2365) ; v1(4825,2425) 4826.73,2426.73 CH9121.19@4891.38,2426.73 4931.73,2426.73 4980,2475 C47.1@4992,2475 ; v1(4825,2585) 4843.9,2603.9 CH9121.28@4891.38,2603.9 4988.1,2603.9 C48.1@4992,2600
  Top Layer w30: v1(4960,2320) C32.1@4960,2175 5045,2175 5060,2160 C33.1@5060,2128 5123,2128 5137.5,2142.5 CE6219.2@5137.5,2155
  Bottom Layer w16: v1(4335,2685) 4360,2710 v1(4600,2710)
  Bottom Layer w18: v1(4480,2370) 4505,2395 4595,2395 v1(4625,2365) 4625,2435 ; v1(4600,2710) 4625,2685 4625,2435 ; v1(4960,2320) 4885,2320 4825,2380 v1(4825,2425) 4815,2435 4625,2435
  Bottom Layer w20: v1(4825,2425) v1@4825,2580
+3.3V: C4.1 C5.2 C20.1 C21.1 C22.1 C23.1 C24.1 C25.1 C26.1 C27.1 C28.1 C29.1 C30.1 C31.1 C34.1 C35.1 C36.1 C37.1 C38.1 C39.1 C40.1 C41.1 C42.1 C49.1 C50.1 CE6219.3 CH9121.2 CH9121.12 CH9121.17 CH9121.21 CH9121.29 CH9121.40 CH9121.42 CH9121.45 CH9121.63 ESP8266.8 H2.7 HR911105A.4 HR911105A.5 R13.2 R14.1 R15.1 R16.1 R17.1 R18.1 R19.1 R22.1 R24.1 R25.1 R26.2 R27.2 R30.2 stm32f103zet6.17 stm32f103zet6.39 stm32f103zet6.52 stm32f103zet6.62 stm32f103zet6.72 stm32f103zet6.84 stm32f103zet6.95 stm32f103zet6.108 stm32f103zet6.121 stm32f103zet6.131 stm32f103zet6.144 SWD.1 U1.2 U1.4 | length 19167.2
  Top Layer w10: C30.1@2138,2370 2143,2365 2350,2365 2420.47,2294.53 stm32f103zet6.17@2497.09,2294.53 2570.04,2294.53 2595.51,2320 ; C20.1@2595,2822 2595.51,2821.49 stm32f103zet6.144@2595.51,2707.91 2595.51,2570.51 ; 2600,1910 2615,1910 ; 2634.88,1890.12 stm32f103zet6.39@2634.88,1822.09 2634.88,1688.12 C29.1@2635,1688 ; 2810,2609.49 2851.42,2650.91 stm32f103zet6.131@2851.42,2707.91 2851.42,2778.58 2840,2790 C21.1@2840,2822 ; 2865,1910 2890.79,1884.21 stm32f103zet6.52@2890.79,1822.09 2890.79,1740.79 2870,1720 C28.1@2870,1688 ; 3010,2609.49 3048.27,2647.76 stm32f103zet6.121@3048.27,2707.91 3048.27,2782.01 3070,2803.74 C22.1@3070,2822 ; 3087.64,1892.36 stm32f103zet6.62@3087.64,1822.09 3087.64,1705.36 C27.1@3105,1688 ; 3265.51,2609.49 stm32f103zet6.108@3382.91,2609.49 3496.49,2609.49 C23.1@3497,2610 ; C26.1@3283.98,1688 3284.49,1688.51 stm32f103zet6.72@3284.49,1822.09 ; 3290,2380 3316.42,2353.58 stm32f103zet6.95@3382.91,2353.58 3493.42,2353.58 C24.1@3497,2350 ; 3312.95,2137.05 stm32f103zet6.84@3382.91,2137.05 3494.95,2137.05 C25.1@3497,2135 ; R22.1@4277,2490 4333,2434 C37.1@4333,2425 4360,2425 4377.95,2407.05 CH9121.63@4428.62,2407.05 4532.05,2407.05 4532.05,2412.05 4537.5,2417.5 4682.5,2417.5 4675,2425 4675,2645 4665,2655 ; 4510,2400 4510,2355 4532.05,2332.95 CH9121.2@4532.05,2303.62 4532.05,2220.95 C38.1@4555,2198 ; C34.1@4510,2867 4510,2855 4571.42,2793.58 CH9121.45@4571.42,2766.38 4571.42,2678.58 ; 4537.5,2407.5 4682.5,2407.5 ; C35.1@4660,2867 4660,2845 4630.47,2815.47 CH9121.42@4630.47,2766.38 4630.47,2674.68 4645,2660.16 4665,2660.16 ; 4669.84,2660.16 4688.13,2641.87 ; 4685,2638.74 4685,2466.1 ; 4687.5,2407.5 4682.5,2407.5 ; 4690,2415 4682.5,2407.5 ; C36.1@4735,2867 4735,2845 4700,2810 4680,2810 4669.84,2799.84 CH9121.40@4669.84,2766.38 4669.84,2725.16 4688.13,2706.87 4688.13,2641.87 ; C36.1@4736,2856 C36.1@4736,2866 ; C39.1@4815,2198 4825,2208 4825,2230 4810,2245 4755,2245 4728.9,2271.1 CH9121.12@4728.9,2303.62 4728.9,2381.1 4722.64,2387.36 ; C40.1@4992,2405 4965,2405 4947.36,2387.36 CH9121.17@4891.38,2387.36 4722.64,2387.36 ; C41.1@4992,2535 4982,2545 4965,2545 4935,2515 4935,2485 4916.1,2466.1 CH9121.21@4891.38,2466.1 4685,2466.1 ; C42.1@4992,2665 4970,2665 4928.58,2623.58 CH9121.29@4891.38,2623.58 4706.42,2623.58 4688.13,2641.87 ; 4685,2466.1 4685,2425 4722.64,2387.36
  Top Layer w12: 4687.5,2407.5 4727.64,2367.36
  Top Layer w13: 4685,2638.74 4688.13,2641.87
  Top Layer w15: 4571.42,2678.58 4590,2660
  Top Layer w20: C4.1@1268.07,2837.05 C4.1@1269,2836.11 ; v5(1575,1775) v5@1580,1770 ; 2634.88,1890.12 2615,1910 ; 3087.64,1892.36 3070,1910 2865,1910 2615,1910 ; C27.1@3105,1688 C26.1@3283.98,1688 ; 3312.95,2137.05 3290,2160 3290,2380 3290,2585 3265.51,2609.49 3010,2609.49 2810,2609.49 2634.49,2609.49 2595.51,2570.51 2595.51,2320 2595.51,1929.49 2615,1910 ; 4595.31,2655 4665,2655 ; C50.1@5160,2337 C50.1@5165.87,2337 ; C49.1@5160,2467 5197,2467 5200,2470 5205,2465 ; C31.1@5290,2232 5290,2095 5260,2065 CE6219.3@5177.5,2065 5177.5,2337 C50.1@5165.87,2337 ; HR911105A.5@5388.5,2724.8 5338.5,2724.8 HR911105A.4@5288.5,2674.8 5288.5,2673.5 5205,2590 5205,2465 ; C50.1@5165.87,2337 5205,2376.13 5205,2465
  Top Layer w30: R24.1@115,1972 R25.1@185,1972 627,1972 645,1990 ESP8266.8@645,2155 645,2220 700,2275 v2(700,3003.5) 383.5,3003.5 330,2950 R27.2@298,2950 R26.2@298,2890 R30.2@432,2890 ; v2(1045,2930) 1045,2842.04 U1.4@1050,2837.05 ; v5@1580,1770 v2(2224,1770) v2@2225,1770 ; R13.2@2227,1825 2227,1772 v2@2225,1770 ; 2600,1910 2460,1770 v2@2225,1770 ; v2(4214,2525) 4220,2525 4255,2490 R22.1@4277,2490 ; C40.1@4992,2405 4992,2363 5018,2337 C50.1@5160,2337 ; C31.1@5290,2232 R16.1@5360,2232 R17.1@5430,2232 R15.1@5500,2232 R14.1@5570,2232 R19.1@5640,2232 R18.1@5710,2232
  Top Layer w50: U1.2@1050,2592.95 U1.4@1050,2837.05 C4.1@1268.07,2837.05 ; C4.1@1269,2836.11 1348.89,2836.11 1380,2805 1380,2740 1400,2740 1520,2620 1520,2350 H2.7@1705,2165
  Bottom Layer w30: v2(700,3003.5) 1011.5,3003.5 1045,2970 v2(1045,2930) ; v5(1575,1775) 1575,2035 H2.7@1705,2165 ; v2(2224,1770) 2249,1795 3605,1795 3640,1830 3640,2585 3780,2725 SWD.1@3780,2735 3935,2735 4005,2665 4005,2545 4025,2525 v2(4214,2525)
+5V: C3.1 C6.2 D7.2 D8.2 D9.2 D10.2 D11.2 D12.2 D13.2 D14.2 D15.2 D16.2 D17.2 D18.2 D19.2 D20.2 D21.2 D22.2 D23.1 D24.1 D25.1 D26.1 D27.1 D28.1 D29.1 D30.1 D31.1 D32.1 D33.1 D34.1 D35.1 D36.1 D37.1 D38.1 H2.8 K1.3 K2.3 K3.3 K4.3 K5.3 K6.3 K7.3 K8.3 K9.3 K10.3 K11.3 K12.3 K13.3 K14.3 K15.3 K16.3 L1.2 R1.2 R4.1 R7.2 SP485EE.8 U1.3 | length 31563.6
  Top Layer w20: 1140,2410 1140.55,2410.55 ; U1.3@1140.55,2592.95 U1.3@1152.95,2592.95
  Top Layer w30: D15.2@414,3208 414,3146 445,3115 630,3115 647.37,3132.37 D31.1@647.37,3175 ; R1.2@773,1890 775,1950 ; D16.2@1089,3208 1089,3156 1130,3115 1275,3115 1322.37,3162.37 D32.1@1322.37,3175 ; D17.2@1769,3208 1769,3151 1810,3110 1975,3110 2002.37,3137.37 D33.1@2002.37,3175 ; D18.2@2449,3208 2449,3136 2470,3115 2660,3115 2682.37,3137.37 D34.1@2682.37,3175 ; D19.2@3119,3208 3119,3141 3145,3115 3315,3115 3347.37,3147.37 D35.1@3347.37,3175 ; D20.2@3794,3208 3794,3136 3815,3115 3995,3115 4017.37,3137.37 D36.1@4017.37,3175 ; R4.1@4362,1715 4362,1867 4395,1900 4525,1900 4548,1877 C6.2@4548,1850 4750,1850 4820,1780 ; D21.2@4459,3208 4459,3146 4490,3115 4655,3115 4687.37,3147.37 D37.1@4687.37,3175 ; SP485EE.8@4882.2,1780 4820,1780 ; R7.2@5123,1620 5123,1578 ; D22.2@5129,3208 5129,3136 5155,3110 5335,3110 5357.37,3132.37 D38.1@5357.37,3175 ; 5300,1430 5175,1430 5123,1482 5123,1578 ; 4820,1780 4805,1765 4805,1595 4840,1560 5105,1560 5123,1578
  Top Layer w45: 1140,2410 1165,2410 1275,2300 1435,2300 1670,2065 H2.8@1705,2065
  Top Layer w50: D31.1@647.37,3175 725,3175 775,3125 775,2335 ; v6(710,1280) 747,1317 D14.2@786,1317 ; 1140.55,2410.55 U1.3@1140.55,2592.95 ; D29.1@1228.63,1350 1228.63,1388.63 1265,1425 1425,1425 1461,1389 D13.2@1461,1317 ; D28.1@1908.63,1350 1908.63,1398.63 1935,1425 2105,1425 2136,1394 D12.2@2136,1317 ; D27.1@2588.63,1350 2588.63,1383.63 2630,1425 2770,1425 2816,1379 D11.2@2816,1317 ; D26.1@3253.63,1350 3253.63,1383.63 3295,1425 3435,1425 3476,1384 D10.2@3476,1312 ; D25.1@3923.63,1350 3923.63,1393.63 3960,1430 4120,1430 4156,1394 D9.2@4156,1312 ; D24.1@4593.63,1350 4593.63,1388.63 4635,1430 4780,1430 4821,1389 D8.2@4821,1312 ; D23.1@5263.63,1350 5263.63,1393.63 5300,1430 5405,1430 5650,1185 D7.2@5650,1159
  Top Layer w60: 775,1950 775,2335 850,2410 1140,2410
  Bottom Layer w10: 550,1270 552.63,1272.63
  Bottom Layer w50: 552.63,1272.63 D30.1@552.63,1350 ; D31.1@647.37,3175 795,3175 836.22,3216.22 K9.3@836.22,3619.21 836.22,3676.22 885,3725 1520,3725 ; v6(710,1280) 700,1270 550,1270 415,1270 368.78,1223.78 K8.3@368.78,915.79 499.57,785 1045,785 ; D29.1@1228.63,1350 1125,1350 1038.78,1263.78 K7.3@1038.78,915.79 1038.78,791.22 1045,785 ; D32.1@1322.37,3175 1475,3175 1511.22,3211.22 K10.3@1511.22,3619.21 1511.22,3716.22 1520,3725 ; H2.8@1705,2065 1713.78,2056.22 1713.78,1278.78 ; D28.1@1908.63,1350 1785,1350 1713.78,1278.78 ; D33.1@2002.37,3175 2135,3175 2181.22,3221.22 K11.3@2181.22,3619.21 2181.22,3718.78 2175,3725 ; D27.1@2588.63,1350 2440,1350 2383.78,1293.78 K5.3@2383.78,915.79 2383.78,786.22 2385,785 ; D34.1@2682.37,3175 2820,3175 2856.22,3211.22 K12.3@2856.22,3619.21 2856.22,3713.78 2845,3725 ; D26.1@3253.63,1350 3115,1350 3053.78,1288.78 K4.3@3053.78,915.79 3053.78,796.22 3065,785 ; D35.1@3347.37,3175 3490,3175 3526.22,3211.22 K13.3@3526.22,3619.21 3526.22,3721.22 3530,3725 ; D25.1@3923.63,1350 3795,1350 3728.78,1283.78 K3.3@3728.78,915.79 3728.78,788.78 3725,785 ; D36.1@4017.37,3175 4150,3175 4201.22,3226.22 K14.3@4201.22,3619.21 4201.22,3721.22 4205,3725 ; D24.1@4593.63,1350 4470,1350 4398.78,1278.78 K2.3@4398.78,915.79 4398.78,791.22 4405,785 ; D37.1@4687.37,3175 4825,3175 4871.22,3221.22 K15.3@4871.22,3619.21 4871.22,3713.78 4860,3725 ; D23.1@5263.63,1350 5115,1350 5073.78,1308.78 K1.3@5073.78,915.79 4942.99,785 4405,785 ; D38.1@5357.37,3175 5357.37,3302.37 5546.22,3491.22 K16.3@5546.22,3619.21 5546.22,3663.78 5485,3725 4860,3725 ; 1045,785 1720,785 ; 1520,3725 2175,3725 ; 1713.78,1278.78 K6.3@1713.78,915.79 1713.78,791.22 1720,785 ; 1720,785 2385,785 ; 2175,3725 2845,3725 ; 2385,785 3065,785 ; 2845,3725 3530,3725 ; 3065,785 3725,785 ; 3530,3725 4205,3725 ; 3725,785 4405,785 ; 4205,3725 4860,3725
ACT: CH9121.52 HR911105A.11 | length 1842.7
  Top Layer w10: v1(4385,2750) 4385,2635 4396.42,2623.58 CH9121.52@4428.62,2623.58
  Bottom Layer w10: v1(4385,2750) 4385,2915 4419,2949 5456,2949 5565,2840 5810.67,2840 HR911105A.11@5831.5,2860.83
BOOT0: R11.1 stm32f103zet6.138 | length 125.9
  Top Layer w10: R11.1@2685,2822 2685,2795 2713.62,2766.38 stm32f103zet6.138@2713.62,2707.91
BOOT1: R12.1 stm32f103zet6.48 | length 141.1
  Top Layer w10: R12.1@2795,1688 2795,1725 2812.05,1742.05 stm32f103zet6.48@2812.05,1822.09
CFG0: CH9121.60 stm32f103zet6.117 | length 1789.8
  Top Layer w10: stm32f103zet6.117@3127.01,2707.91 3127.69,2708.6 3127.69,2769.56 3252.13,2894 3853.48,2894 3935,2812.48 v1(3935,2590) ; v1(4375,2455) 4386.1,2466.1 CH9121.60@4428.62,2466.1
  Bottom Layer w10: v1(3935,2590) 3935,2525 3945,2515 3945,2480 3970,2455 v1(4375,2455)
DIR: CH9121.51